# KiCad board solenoidDecoder.kicad_pcb (continued)
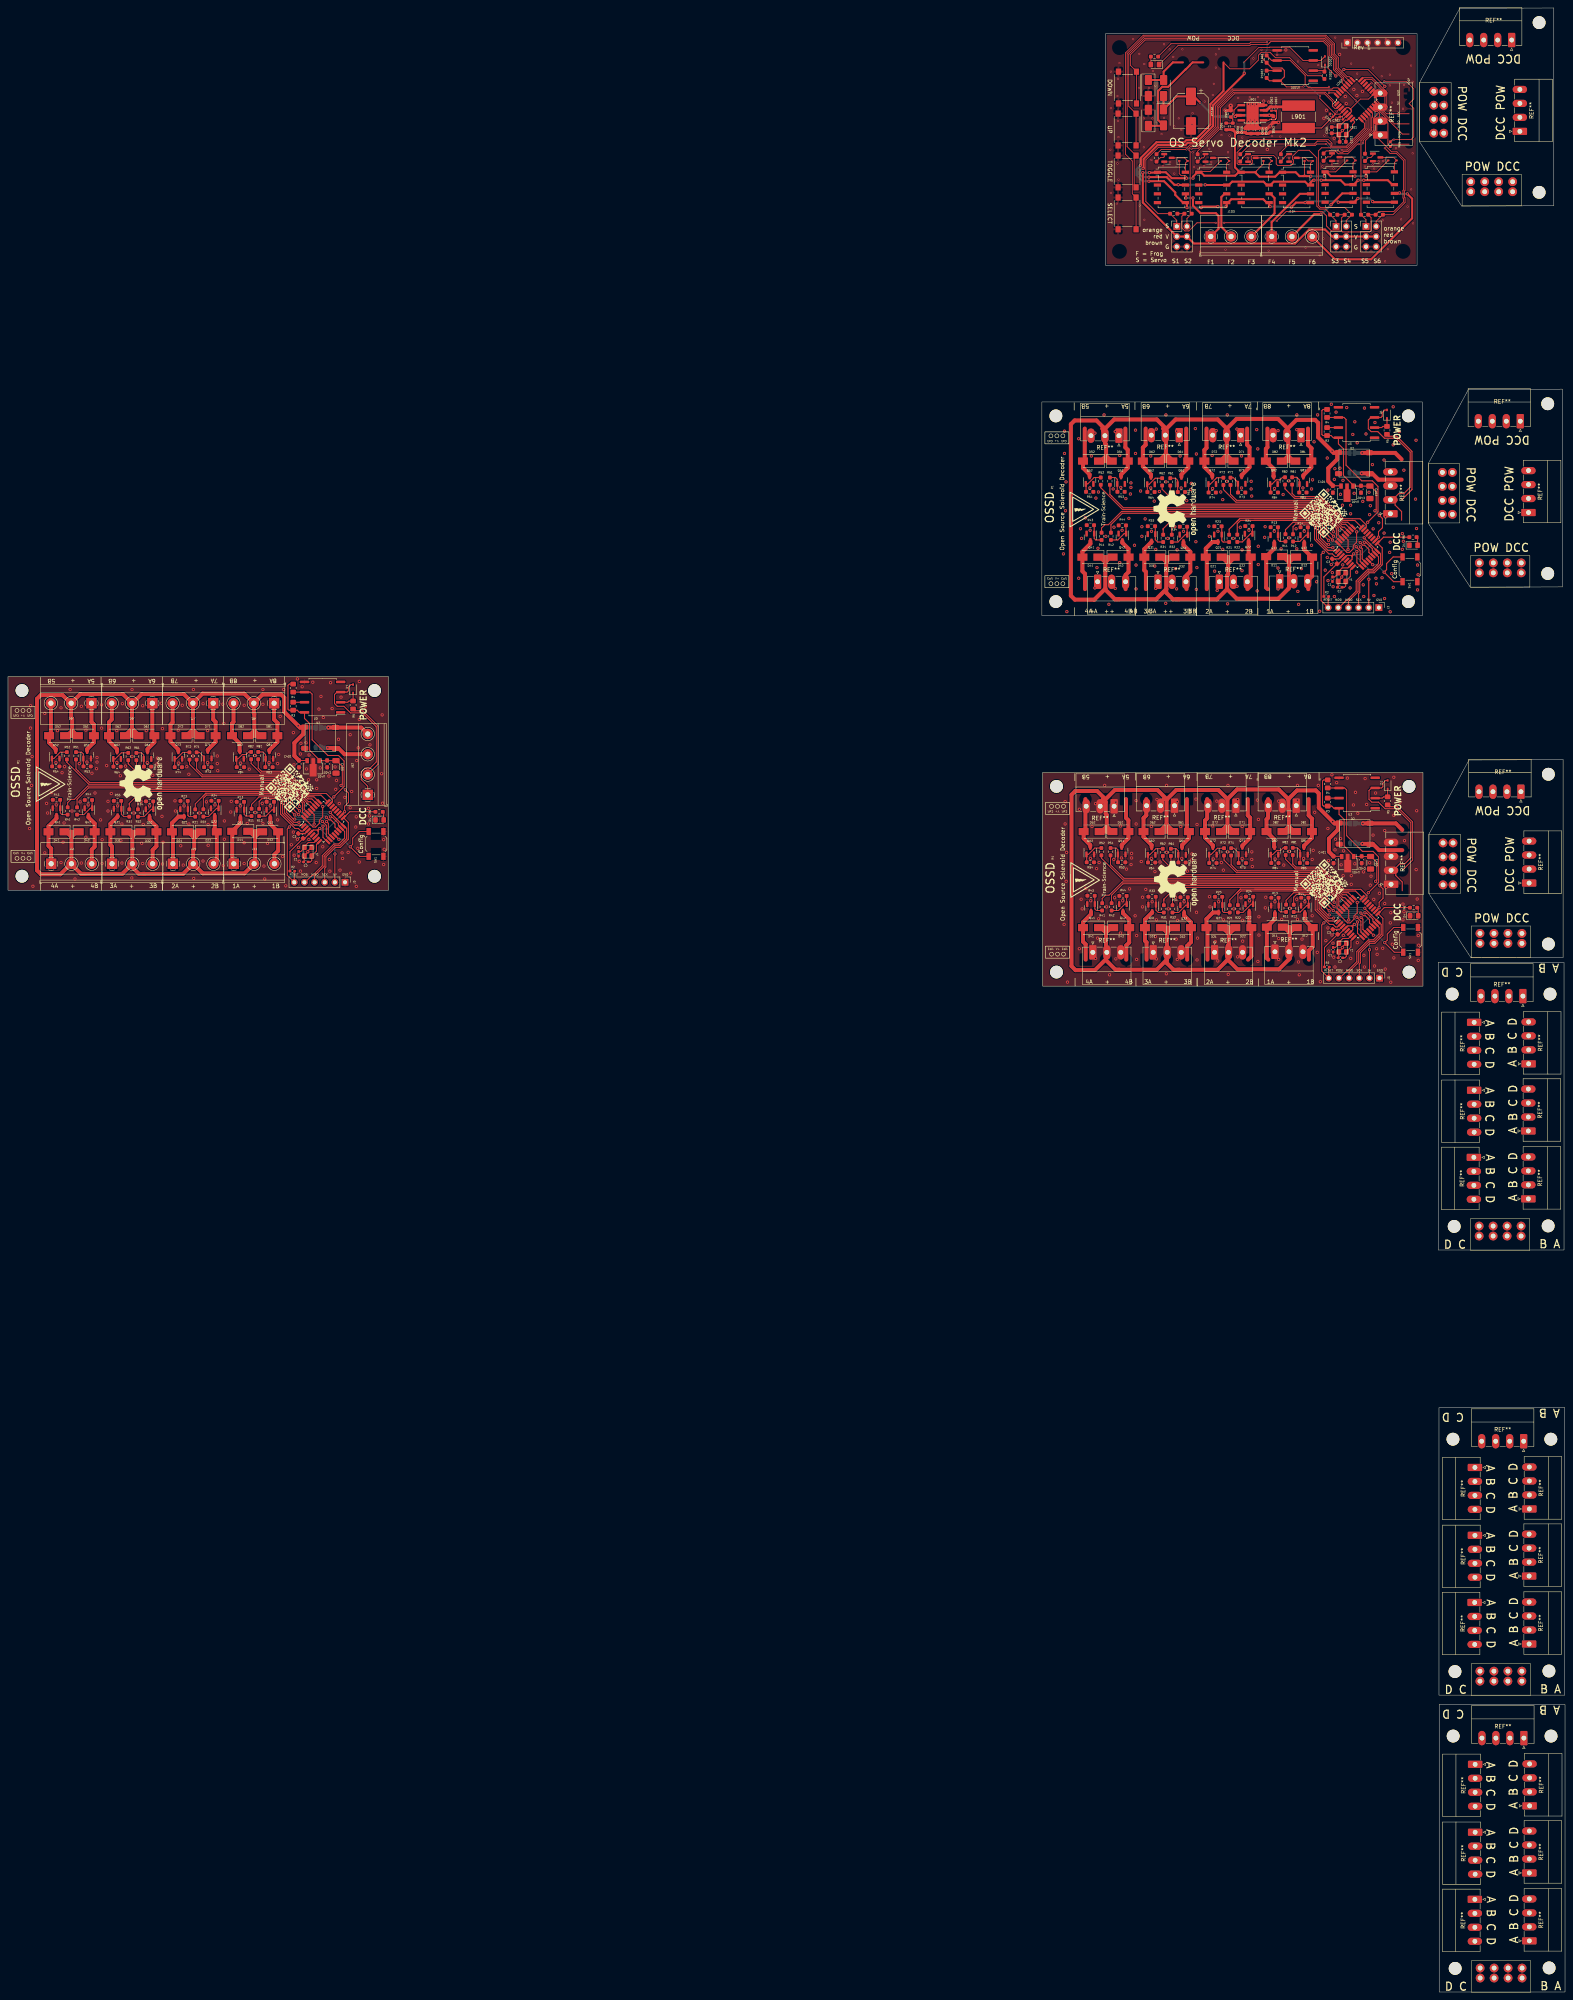
[diagram p0: board, top side]
## Routing (per net, layer and track width the routed paths; a pad name or vN(x,y) marks a point on that pad's centre or on a via; arc(x,y) is an arc through that point) (continued)
  Top w0.5: v2(304.93,446.98) 305.12,447.16 K702.5 305.42,447.97 306.27,448.82 314.26,448.82 315.11,447.97 K801.5 315.74,447.22 v2(315.98,446.98) ; v2(283.47,457.26) 283.62,457.41 283.62,459.18 287.52,463.09 294.48,463.09 295.05,463.65 297.19,463.65 301.02,467.48 301.02,472.64 304.31,475.93 304.31,483.08 ; v2(337.95,449.01) 337.02,448.07 K901.5 336.74,448.07 v2(333.05,448.07) ; v2(321.32,446.85) 322.44,447.97 v2(324.75,447.97) K802.5 ; v2(295.15,446.72) 295.15,447.58 K701.5 294.16,447.97 292.23,449.9 292.23,450.5 289.41,453.33 v2(285.63,453.33) ; K902.5 341.81,448.07 v2(341.64,448.25) ; v2(298.71,446.72) 298.96,446.98 v2(302.9,446.98)
  Bottom w0.5: v2(283.47,457.26) 282.56,456.35 282.56,454.84 284.07,453.33 v2(285.63,453.33) ; v2(337.95,449.01) 340.87,449.01 v2(341.64,448.25) ; v2(324.75,447.97) 325.07,448.3 332.82,448.3 v2(333.05,448.07) ; v2(315.98,446.98) 321.19,446.98 v2(321.32,446.85) ; v2(304.93,446.98) v2(302.9,446.98) ; v2(298.71,446.72) v2(295.15,446.72)
/DCC/DCC_B: length 262.5
  Top w0.2: 309.39,483.08 313.08,486.77 315.78,486.77 315.9,486.9 320.89,486.9 324.24,483.55 U1001.3
  Top w0.25: 349.06,275.7 349.06,277.87 347.43,279.49 347.43,281.46 348.39,282.41 349.65,282.41 351.2,283.96 351.2,292.74 347.71,296.23 344.75,296.23 343.1,297.88 341.44,297.88 340.73,298.59 340.73,300.8 341.37,301.44 U3.3 343.9,301.44 344.21,301.75 344.21,302.63 344.88,303.31 D1#2.2 ; J62.1 90.06,301.87 88.43,303.49 88.43,305.46 89.39,306.41 90.65,306.41 92.2,307.96 92.2,316.74 88.71,320.23 85.75,320.23 84.1,321.88 82.44,321.88 81.73,322.59 81.73,324.8 82.37,325.44 U3#2.3 84.9,325.44 85.21,325.75 85.21,326.63 85.88,327.31 D1#3.2 ; D1001.2 328.68,483.55 U1001.3 ; 348.9,368.46 348.9,370.62 347.27,372.25 347.27,374.21 348.22,375.16 349.49,375.16 351.04,376.72 351.04,385.5 347.55,388.98 344.59,388.98 342.94,390.63 341.28,390.63 340.57,391.34 340.57,393.56 341.21,394.19 U3#3.3 343.74,394.19 344.05,394.5 344.05,395.39 344.72,396.07 D1.2
  Top w0.5: v2(339.42,453.58) 345.45,453.58 346.55,452.47 K902.7 ; v2(299.73,452.44) 299.79,452.37 K702.7 305.63,452.37 306.48,453.22 314.31,453.22 315.16,452.37 K801.7 316.05,452.37 316.9,453.22 324.72,453.22 325.57,452.37 K802.7 326.09,452.99 326.68,453.58 v2(326.97,453.58) ; v2(284.17,456.5) 284.32,456.65 284.32,458.89 287.81,462.38 294.77,462.38 295.34,462.95 297.48,462.95 301.72,467.19 301.72,472.35 309.51,480.14 v2(309.51,480.38) ; v2(338.02,453.58) 336.91,452.47 K901.7 334.74,452.47 333.64,453.58 v2(328.77,453.58) ; K701.7 293.06,452.37 v2(293,452.44) 292.01,452.44 290.1,454.34 v2(285.63,454.34)
  Bottom w0.5: v2(326.97,453.58) v2(328.77,453.58) ; v2(338.02,453.58) v2(339.42,453.58) ; v2(309.51,480.38) 309.51,482.96 309.39,483.08 ; v2(293,452.44) v2(299.73,452.44) ; v2(285.63,454.34) 284.05,454.34 283.26,455.13 283.26,455.84 283.92,456.5 v2(284.17,456.5)
/DCC/DCC_TTL: length 174.9
  Top w0.2: U202.32 331.98,475.45 v1(330.71,475.45) ; U1001.6 321,483.55 324.75,479.81 324.75,477.58 325.53,476.8 330.56,476.8 v1(330.71,476.95)
  Top w0.25: U1#3.32 76.36,291.65 77.03,291.65 77.97,292.59 77.97,293.36 78.79,294.18 v2(78.79,296.79) ; v2(337.79,272.79) 337.79,270.18 336.97,269.36 336.97,268.59 336.03,267.65 335.36,267.65 U1.32 ; v2(340.4,367.96) 342.98,370.54 342.98,376.92 341.59,378.32 338.92,378.32 334.98,382.25 334.98,393.68 334.47,394.19 U3#3.6 R4#3.2 ; v2(340.56,275.2) 343.14,277.79 343.14,284.16 341.75,285.56 339.08,285.56 335.14,289.5 335.14,300.93 334.63,301.44 U3.6 R4#2.2 ; U1#2.32 335.2,360.41 335.87,360.41 336.81,361.35 336.81,362.12 337.63,362.94 v2(337.63,365.54) ; v2(81.56,299.2) 84.14,301.79 84.14,308.16 82.75,309.56 80.08,309.56 76.14,313.5 76.14,324.93 75.63,325.44 U3#2.6 R4.2 ; U1001.6 316.37,483.55 R1003.2
  Bottom w0.2: v1(330.71,476.95) v1(330.71,475.45)
  Bottom w0.25: v2(337.63,365.54) 338.06,365.54 340.4,367.88 v2(340.4,367.96) ; v2(340.56,275.2) 340.56,275.13 338.22,272.79 v2(337.79,272.79) ; v2(81.56,299.2) 81.56,299.13 79.22,296.79 v2(78.79,296.79)
/POWER/Vcoils: length 1002.2
  Top w0.25: U401#2.3 333.83,284.32 C401#2.1 ; U401#3.3 333.66,377.08 C401#3.1 ; C401.1 74.83,308.32 U401.3
  Top w1: 305.62,264.93 305.75,264.93 D22#3.1 305.62,266.46 ; 305.62,264.93 305.62,266.46 ; 305.62,264.93 305.62,262.14 305.37,261.89 305.37,258.46 ; 305.62,264.93 304.1,266.46 D21.1 305.62,266.46 ; 289.97,359.21 289.97,358.07 ; 289.97,359.21 D31#2.1 288.83,359.21 289.97,358.07 ; 289.97,359.21 D32#2.1 291.11,359.21 289.97,358.07 ; 289.97,358.07 289.97,351.21 ; 15.76,290.46 D42#3.1 17.15,290.46 15.88,289.19 ; 15.76,290.46 D41#2.1 14.62,290.46 15.88,289.19 ; 15.76,290.46 15.88,290.34 15.88,289.19 ; 274.91,384.54 276.18,383.27 D51#2.1 274.91,383.27 ; 274.91,384.54 274.91,387.46 274.66,387.71 274.66,390.68 273.94,391.4 ; 274.91,384.54 273.64,383.27 D52#3.1 274.91,383.27 ; 274.91,384.54 274.91,383.27 ; 320.5,383.27 D81#2.1 321.77,383.27 320.5,384.54 ; 320.5,383.27 320.5,384.54 ; 320.5,383.27 D82#2.1 319.23,383.27 320.5,384.54 ; 278.25,255.92 287.59,255.92 290.13,258.45 290.13,258.46 ; 278.25,255.92 277.42,255.92 ; 278.25,255.92 277.29,255.92 274.89,258.32 274.89,258.46 ; 289.97,351.21 289.97,351.21 287.43,348.67 278.09,348.67 ; 289.97,351.21 289.97,350.34 291.63,348.67 293.09,348.67 ; 34.25,279.92 43.83,279.92 J21.2 ; 34.25,279.92 32.79,279.92 31.13,281.58 J31.2 ; 34.25,279.92 33.67,279.92 ; 305.81,290.51 D71.1 306.82,290.51 305.3,292.04 ; 305.81,290.51 305.3,291.02 305.3,292.04 ; 305.81,290.51 D72#3.1 305.2,292.04 305.3,292.04 ; 46.62,288.93 46.75,288.93 D22#2.1 46.62,290.46 ; 46.62,288.93 46.62,290.46 ; 46.62,288.93 46.62,286.14 46.37,285.89 J21.2 ; 46.62,288.93 45.1,290.46 D21#2.1 46.62,290.46 ; 320.38,391.4 320.38,388.86 320.5,388.74 320.5,384.54 ; 320.38,391.4 322.56,393.58 327.24,393.58 328,392.82 328,389.24 v2(331.49,385.75) 331.92,385.31 332.77,385.31 332.77,383.73 330.54,381.49 330.54,378.23 C401#3.1 ; 320.38,391.4 317.97,393.81 307.55,393.81 305.14,391.4 ; 293.25,255.92 291.79,255.92 290.13,257.58 290.13,258.46 ; 293.25,255.92 302.83,255.92 305.37,258.46 ; 293.25,255.92 292.67,255.92 ; 61.86,290.59 61.86,289.19 ; 61.86,290.59 63.51,290.59 D12#3.1 63.13,290.46 61.86,289.19 ; 61.86,290.59 D11.1 60.47,290.59 61.86,289.19 ; 61.86,289.19 61.86,282.71 J11.2 59.2,280.04 48.78,280.04 J21.2 ; 290.19,290.51 D62.1 290.05,292.29 290.05,292.3 ; 290.19,290.51 290.05,290.65 290.05,292.3 ; 290.19,290.51 D61#3.1 291.65,290.7 290.05,292.3 ; 292.51,348.67 293.09,348.67 ; 293.09,348.67 302.67,348.67 305.21,351.21 ; 19.25,279.92 18.29,279.92 15.89,282.32 J41.2 ; 19.25,279.92 28.59,279.92 31.13,282.45 J31.2 ; 19.25,279.92 18.42,279.92 ; 290.02,383.27 289.89,383.4 289.89,385.05 ; 290.02,383.27 D61.1 291.49,383.46 289.89,385.05 ; 290.02,383.27 D62#3.1 289.89,385.04 289.89,385.05 ; 275.07,291.78 273.8,290.51 D52.1 275.07,290.51 ; 275.07,291.78 275.07,290.51 ; 275.07,291.78 275.07,294.7 274.82,294.96 274.82,297.92 274.1,298.64 ; 275.07,291.78 276.34,290.51 D51#3.1 275.07,290.51 ; 320.54,298.64 322.72,300.82 327.4,300.82 328.16,300.07 328.16,296.48 v2(331.65,292.99) 332.09,292.56 332.93,292.56 332.93,290.97 330.7,288.74 330.7,285.47 C401#2.1 ; 320.54,298.64 320.54,296.11 320.67,295.99 320.67,291.78 ; 320.54,298.64 318.13,301.06 307.71,301.06 305.3,298.64 ; 305.65,383.27 305.14,383.78 305.14,384.79 ; 305.65,383.27 D72.1 305.04,384.79 305.14,384.79 ; 305.65,383.27 D71#2.1 306.66,383.27 305.14,384.79 ; 290.13,258.46 290.13,265.32 ; 16.07,315.78 16.07,318.7 15.82,318.96 15.82,321.92 15.1,322.64 ; 16.07,315.78 14.8,314.51 D52#2.1 16.07,314.51 ; 16.07,315.78 17.34,314.51 D51.1 16.07,314.51 ; 16.07,315.78 16.07,314.51 ; 305.14,391.4 305.14,384.79 ; 305.14,391.4 302.85,393.68 292.31,393.68 290.02,391.4 289.17,391.4 ; 290.13,266.46 D31#3.1 288.99,266.46 290.13,265.32 ; 290.13,266.46 D32#3.1 291.27,266.46 290.13,265.32 ; 290.13,266.46 290.13,265.32 ; 320.7,359.34 D11#3.1 319.31,359.34 320.7,357.94 ; 320.7,359.34 322.35,359.34 D12#2.1 321.97,359.21 320.7,357.94 ; 320.7,359.34 320.7,357.94 ; 61.66,314.51 D82#3.1 60.4,314.51 61.66,315.78 ; 61.66,314.51 D81.1 62.93,314.51 61.66,315.78 ; 61.66,314.51 61.66,315.78 ; 274.6,359.21 274.72,359.09 274.72,357.95 ; 274.6,359.21 D42#2.1 275.99,359.21 274.72,357.95 ; 274.6,359.21 D41#3.1 273.46,359.21 274.72,357.95 ; 305.3,298.64 303.01,300.93 292.47,300.93 290.19,298.64 289.33,298.64 ; 305.3,298.64 305.3,292.04 ; 320.86,266.59 D11#2.1 319.47,266.59 320.86,265.19 ; 320.86,266.59 322.51,266.59 D12.1 322.13,266.46 320.86,265.19 ; 320.86,266.59 320.86,265.19 ; 274.88,265.19 274.88,266.34 274.76,266.46 ; 274.88,265.19 274.88,258.58 272.13,255.82 267.25,255.82 266.25,256.82 266.25,299.73 267.2,300.67 272.66,300.67 274.31,299.02 274.31,298.14 277.1,300.93 287.77,300.93 290.05,298.65 290.05,292.3 ; 274.88,265.19 273.62,266.46 D41.1 274.76,266.46 ; 274.88,265.19 276.15,266.46 D42.1 274.76,266.46 ; 320.7,357.94 320.7,351.47 318.04,348.8 307.62,348.8 305.21,351.21 ; 31.05,316.3 31.05,322.65 28.77,324.93 18.1,324.93 15.32,322.14 15.32,323.02 13.66,324.67 8.2,324.67 7.25,323.73 7.25,280.82 8.25,279.82 13.13,279.82 15.88,282.58 15.88,289.19 ; 31.05,316.3 31.05,316.29 D62#2.1 31.18,314.51 ; 31.05,316.3 31.05,314.65 31.18,314.51 ; 31.05,316.3 32.65,314.7 D61#2.1 31.18,314.51 ; 289.89,385.05 289.89,391.4 287.61,393.68 276.94,393.68 274.15,390.89 274.15,391.77 272.5,393.43 267.04,393.43 266.09,392.49 266.09,349.58 267.09,348.58 271.97,348.58 274.72,351.33 274.72,357.95 ; 305.46,357.69 305.46,354.9 305.21,354.64 305.21,351.21 ; 305.46,357.69 305.46,359.21 ; 305.46,357.69 303.94,359.21 D21#3.1 305.46,359.21 ; 305.46,357.69 305.59,357.69 D22.1 305.46,359.21 ; 320.67,290.51 320.67,291.78 ; 320.67,290.51 D82.1 319.4,290.51 320.67,291.78 ; 320.67,290.51 D81#3.1 321.94,290.51 320.67,291.78 ; J81.2 63.72,324.82 68.4,324.82 69.16,324.07 69.16,320.48 v2(72.65,316.99) 73.09,316.56 73.93,316.56 73.93,314.97 71.7,312.74 71.7,309.47 C401.1 ; J81.2 59.13,325.06 48.71,325.06 J71.2 ; J81.2 61.54,320.11 61.66,319.99 61.66,315.78 ; J31.2 31.13,289.32 ; 46.3,316.04 46.3,315.02 46.81,314.51 ; 46.3,316.04 46.2,316.04 D72#2.1 46.81,314.51 ; 46.3,316.04 J71.2 ; 46.3,316.04 47.82,314.51 D71#3.1 46.81,314.51 ; 305.37,258.46 307.78,256.04 318.2,256.04 320.86,258.71 320.86,265.19 ; 31.13,290.46 D31.1 29.99,290.46 31.13,289.32 ; 31.13,290.46 31.13,289.32 ; 31.13,290.46 D32.1 32.27,290.46 31.13,289.32 ; 277.26,348.67 278.09,348.67 ; 278.09,348.67 277.13,348.67 274.73,351.07 274.73,351.21 ; J71.2 44.01,324.93 33.47,324.93 31.18,322.64 30.33,322.64
  Bottom w1: v2(72.65,316.99) 73.09,316.55 JP1.2 ; v2(331.65,292.99) 332.1,292.55 JP1#3.2 ; v2(331.49,385.75) 331.93,385.3 JP1#2.2
/uController/GPIO1: length 58.2
  Top w0.25: U1#3.2 74.58,291.36 73.86,290.64 73.35,290.64 72.71,291.27 71.86,291.27 68.25,294.88 68.25,298.05 67.55,298.75 63.55,298.75 62.88,298.08 R12#3.1 ; R12#2.1 321.88,274.08 322.55,274.75 326.55,274.75 327.25,274.05 327.25,270.88 330.86,267.27 331.71,267.27 332.35,266.64 332.86,266.64 333.58,267.36 U1.2 ; U1#2.2 333.42,360.12 332.7,359.39 332.19,359.39 331.55,360.03 330.7,360.03 327.09,363.63 327.09,366.8 326.39,367.51 322.39,367.51 321.72,366.83 R12.1
/uController/GPIO2: length 59.7
  Top w0.25: U1.1 332.7,268.26 332.29,268.26 332.14,268.11 330.66,268.11 327.75,271.02 327.75,274.19 326.74,275.2 321.86,275.2 319.97,273.32 R11.1 ; R11#3.1 60.97,297.32 62.86,299.2 67.74,299.2 68.75,298.19 68.75,295.02 71.66,292.11 73.14,292.11 73.29,292.26 73.7,292.26 U1#3.1 ; U1#2.1 332.54,361.02 332.13,361.02 331.98,360.86 330.5,360.86 327.59,363.77 327.59,366.94 326.58,367.96 321.7,367.96 319.81,366.07 R11#2.1
/uController/GPIO3: length 128.4
  Top w0.25: v2(72.84,292.83) 71.57,292.83 69.25,295.15 69.25,298.32 67.93,299.65 49.72,299.65 48.91,298.84 R22#3.1 ; U1#2.9 338.78,356.74 337.7,357.82 v2(337.7,360.63) ; v2(337.86,267.87) 337.86,265.06 338.94,263.99 U1.9 ; U1#3.9 79.94,287.99 78.86,289.06 v2(78.86,291.87) ; R22.1 307.91,274.84 308.72,275.65 326.93,275.65 328.25,274.32 328.25,271.15 330.57,268.83 v2(331.84,268.83) ; v2(331.68,361.59) 330.41,361.59 328.09,363.91 328.09,367.08 326.76,368.41 308.56,368.41 307.75,367.6 R22#2.1
  Bottom w0.25: v2(331.68,361.59) 331.68,361.59 331.68,361.68 331.86,361.86 336.46,361.86 v2(337.7,360.63) ; v2(72.84,292.83) 72.84,292.84 72.84,292.92 73.03,293.11 77.62,293.11 v2(78.86,291.87) ; v2(331.84,268.83) 331.84,268.84 331.84,268.92 332.03,269.11 336.62,269.11 v2(337.86,267.87)
/uController/GPIO4: length 182
  Top w0.25: U1.10 339.49,264.55 338.7,265.34 338.7,268.06 v2(337.69,269.06) ; 327.41,368.4 326.95,368.85 326.56,368.85 ; 327.41,368.4 328.59,367.21 328.59,364.08 330.27,362.4 v2(330.62,362.4) ; 327.41,368.4 327.13,368.67 ; 67.72,300.1 67.72,300.1 ; 67.72,300.1 49.53,300.1 ; 67.72,300.1 53.1,300.1 ; 67.72,300.1 68.11,300.1 68.57,299.64 ; 68.57,299.64 68.29,299.92 ; 68.57,299.64 69.75,298.46 69.75,295.32 71.43,293.65 v2(71.78,293.65) ; 49.53,300.1 46.88,297.44 R21#2.1 ; 49.53,300.1 48.72,299.29 ; v2(337.53,361.82) 338.54,360.81 338.54,358.1 339.33,357.31 U1#2.10 ; 308.37,368.85 326.56,368.85 ; 308.37,368.85 305.72,366.2 R21.1 ; 308.37,368.85 307.56,368.05 ; 326.56,368.85 326.56,368.86 ; 326.56,368.85 311.94,368.85 ; R21#3.1 305.88,273.44 308.53,276.1 ; v2(78.69,293.06) 79.7,292.06 79.7,289.34 80.49,288.55 U1#3.10 ; 327.57,275.64 327.11,276.1 326.72,276.1 ; 327.57,275.64 328.75,274.46 328.75,271.32 330.43,269.65 v2(330.78,269.65) ; 327.57,275.64 327.29,275.92 ; 308.53,276.1 307.72,275.29 ; 308.53,276.1 326.72,276.1 ; 326.72,276.1 326.72,276.1 ; 326.72,276.1 312.1,276.1
  Bottom w0.25: v2(337.53,361.82) 337.03,362.31 332.57,362.31 ; 73.73,293.56 78.2,293.56 v2(78.69,293.06) ; 73.73,293.56 71.87,293.56 v2(71.78,293.65) ; 73.73,293.56 73.6,293.56 ; v2(330.78,269.65) 330.87,269.56 332.73,269.56 ; 332.57,362.31 330.71,362.31 v2(330.62,362.4) ; 332.57,362.31 332.44,362.31 ; v2(337.69,269.06) 337.2,269.56 332.73,269.56 ; 332.73,269.56 332.6,269.56
/uController/GPIO5: length 179.7
  Top w0.25: v2(338.75,269.03) 339.21,268.57 339.21,266 339.57,265.64 339.64,265.64 U1.11 ; v2(71.78,294.68) 70.2,296.25 70.2,298.64 68.3,300.55 33.98,300.55 32.53,299.09 R32#2.1 ; R32#3.1 291.37,367.85 292.82,369.3 327.14,369.3 329.04,367.4 329.04,365.01 v2(330.62,363.43) ; v2(330.78,270.68) 329.2,272.25 329.2,274.64 327.3,276.55 292.98,276.55 291.53,275.09 R32.1 ; v2(79.75,293.03) 80.21,292.57 80.21,290 80.57,289.64 80.64,289.64 U1#3.11 ; U1#2.11 339.48,358.39 339.41,358.39 339.05,358.76 339.05,361.33 v2(338.59,361.78)
  Bottom w0.25: v2(330.78,270.68) 331.45,270.01 337.77,270.01 v2(338.75,269.03) ; v2(330.62,363.43) 331.29,362.76 337.61,362.76 v2(338.59,361.78) ; v2(79.75,293.03) 78.77,294.01 72.45,294.01 v2(71.78,294.68)
/uController/GPIO6: length 184.5
  Top w0.25: 289.37,273.32 289.37,273.57 ; 289.37,273.32 289.37,273.57 ; 289.37,273.32 R31#2.1 ; 289.37,273.57 292.79,277 327.49,277 329.75,274.73 329.75,272.82 330.75,271.82 330.75,271.75 v2(331.77,270.73) ; U1#2.14 341.52,359.57 340.7,360.39 340.7,361.16 339.66,362.21 339.18,362.21 v2(338.54,362.86) ; 289.21,366.08 289.21,366.33 292.63,369.75 327.32,369.75 329.59,367.49 329.59,365.58 330.59,364.58 330.59,364.51 v2(331.61,363.49) ; 289.21,366.08 R31#3.1 ; 289.21,366.08 289.21,366.33 ; v2(79.7,294.1) 80.35,293.46 80.82,293.46 81.86,292.41 81.86,291.63 82.68,290.81 U1#3.14 ; 30.37,297.32 30.37,297.57 ; 30.37,297.32 R31.1 ; 30.37,297.32 30.37,297.57 ; 30.37,297.57 33.79,301 68.49,301 70.75,298.73 70.75,296.82 71.75,295.82 71.75,295.75 v2(72.77,294.73) ; v2(338.7,270.1) 339.35,269.46 339.82,269.46 340.86,268.41 340.86,267.63 341.68,266.81 U1.14
  Bottom w0.25: v2(72.77,294.73) 73.05,294.46 79.35,294.46 v2(79.7,294.1) ; v2(331.77,270.73) 332.05,270.46 338.35,270.46 v2(338.7,270.1) ; v2(331.61,363.49) 331.89,363.21 338.18,363.21 v2(338.54,362.86)
/uController/GPIO7: length 283.3
  Top w0.25: R42#3.1 276.13,367.34 278.99,370.2 292.45,370.2 292.45,370.2 327.51,370.2 329.29,368.43 ; R42#2.1 276.29,274.59 279.15,277.45 292.61,277.45 327.67,277.45 329.45,275.67 ; v2(73,295.71) 71.25,297.45 71.25,298.87 70.45,299.67 ; v2(339.72,270.18) 339.83,270.07 340.22,270.07 341.04,269.25 341.05,269.25 341.72,268.58 341.72,268.08 U1.15 343.27,266.53 343.27,264.86 341.82,263.41 340.6,263.41 337.68,260.49 337.68,257.95 335.32,255.59 335.14,255.59 333.38,253.82 J3.5 ; 329.45,275.67 330.25,274.87 330.25,273.45 v2(332,271.71) ; 329.45,275.67 329.28,275.84 ; J3#3.5 333.22,346.58 334.98,348.34 335.16,348.34 337.52,350.7 337.52,353.24 340.44,356.16 341.66,356.16 343.11,357.62 343.11,359.28 U1#2.15 341.56,360.84 341.56,361.33 340.89,362 340.88,362 340.06,362.82 339.67,362.82 v2(339.56,362.94) ; v2(331.84,364.46) 330.09,366.21 330.09,367.62 329.29,368.43 ; v2(80.72,294.18) 80.83,294.07 81.22,294.07 82.04,293.25 82.05,293.25 82.72,292.58 82.72,292.08 U1#3.15 84.27,290.53 84.27,288.86 82.82,287.41 81.6,287.41 78.68,284.49 78.68,281.95 76.32,279.59 76.14,279.59 74.38,277.82 J3#2.5 ; 70.45,299.67 68.67,301.45 33.61,301.45 20.15,301.45 17.29,298.59 R42.1 ; 70.45,299.67 70.28,299.84 ; 329.29,368.43 329.12,368.6
  Bottom w0.25: 333.84,363.71 332.59,363.71 v2(331.84,364.46) ; 333.42,270.96 338.94,270.96 v2(339.72,270.18) ; v2(339.56,362.94) 338.78,363.71 333.25,363.71 ; v2(73,295.71) 73.75,294.96 75,294.96 ; 74.42,294.96 79.94,294.96 v2(80.72,294.18) ; 334,270.96 332.75,270.96 v2(332,271.71)
/uController/GPIO8: length 285.7
  Top w0.25: v2(339.53,364.07) 339.53,363.99 341.06,362.45 341.07,362.45 U1#2.16 342.95,360.7 343.62,360.03 343.62,357.49 341.86,355.73 340.62,355.73 337.99,353.1 337.99,350.56 335.59,348.16 J3#3.4 ; v2(80.69,295.31) 80.69,295.23 82.23,293.7 82.23,293.7 U1#3.16 84.11,291.95 84.78,291.27 84.78,288.73 83.02,286.98 81.78,286.98 79.15,284.35 79.15,281.81 76.75,279.41 J3#2.4 ; J3.4 335.75,255.41 338.15,257.81 338.15,260.35 340.78,262.98 342.02,262.98 343.78,264.73 343.78,267.27 343.11,267.95 U1.16 341.23,269.7 341.23,269.7 339.69,271.23 v2(339.69,271.31) ; R41.1 273.94,273.76 274.76,274.59 275.65,274.59 278.96,277.9 327.83,277.9 332,273.73 v2(332,272.82) ; v2(331.84,365.58) 331.84,366.48 327.67,370.65 278.8,370.65 275.49,367.34 274.6,367.34 273.78,366.52 R41#3.1 ; v2(73,296.82) 73,297.73 68.83,301.9 19.96,301.9 16.65,298.59 15.76,298.59 14.94,297.76 R41#2.1
  Bottom w0.25: v2(331.84,365.58) 333.2,364.22 339.38,364.22 v2(339.53,364.07) ; v2(339.69,271.31) 339.54,271.46 333.36,271.46 v2(332,272.82) ; v2(80.69,295.31) 80.54,295.46 74.36,295.46 v2(73,296.82)
/uController/GPIO9: length 202.1
  Top w0.25: R52#3.1 14.74,307.84 20.22,302.37 68.98,302.37 73.73,297.63 73.73,295.42 U1#3.31 ; U1.31 332.73,271.42 332.73,273.63 327.98,278.37 279.22,278.37 273.74,283.84 R52#2.1 ; R52.1 273.58,376.6 279.06,371.12 327.82,371.12 332.56,366.38 332.56,364.17 U1#2.31
/uController/GPIO10: length 198.2
  Top w0.25: U1#2.30 333.01,364.85 333.01,366.54 327.98,371.57 279.24,371.57 276.31,374.51 276.31,374.51 275.87,374.95 R51.1 ; U1.30 333.18,272.1 333.18,273.79 328.14,278.82 279.4,278.82 276.47,281.75 276.03,282.19 R51#2.1 ; R51#3.1 17.03,306.19 17.47,305.75 20.4,302.82 69.14,302.82 74.18,297.79 74.18,296.1 U1#3.30
/uController/GPIO11: length 155.3
  Top w0.25: U1#2.28 335.12,365.05 328.14,372.02 293.14,372.02 288.94,376.22 R62#2.1 ; U1.28 335.28,272.29 328.3,279.27 293.3,279.27 289.11,283.47 R62#3.1 ; U1#3.28 76.28,296.29 69.3,303.27 34.3,303.27 30.11,307.47 R62.1
/uController/GPIO12: length 152.6
  Top w0.25: U1#2.27 334.54,366.73 334.05,366.73 328.3,372.47 293.33,372.47 290.98,374.82 R61#3.1 ; U1#3.27 75.7,297.97 75.21,297.97 69.46,303.72 34.49,303.72 32.14,306.07 R61.1 ; R61#2.1 291.14,282.07 293.49,279.72 328.46,279.72 334.21,273.97 334.7,273.97 U1.27
/uController/GPIO13: length 111.8
  Top w0.25: U1.26 336.37,273.39 335.07,274.69 334.1,274.69 328.56,280.23 307.58,280.23 304.44,283.37 R72.1 ; R72#3.1 304.28,376.12 307.42,372.98 328.4,372.98 333.94,367.44 334.91,367.44 336.2,366.15 U1#2.26 ; U1#3.26 77.37,297.39 76.07,298.69 75.1,298.69 69.56,304.23 48.58,304.23 45.44,307.37 R72#2.1
/uController/GPIO14: length 109.4
  Top w0.25: R71#3.1 306.06,374.98 307.61,373.43 328.56,373.43 334.03,367.96 335.42,367.96 336.67,366.71 U1#2.25 ; U1.25 336.83,273.96 335.58,275.2 334.19,275.2 328.72,280.68 307.77,280.68 306.22,282.23 R71#2.1 ; U1#3.25 77.83,297.96 76.58,299.2 75.19,299.2 69.72,304.68 48.77,304.68 47.22,306.23 R71.1
/uController/GPIO15: length 72.6
  Top w0.25: R82.1 319.87,283.56 322.26,281.17 328.83,281.17 334.37,275.63 337.35,275.63 U1.24 ; R82#3.1 319.71,376.32 322.1,373.93 328.67,373.93 334.21,368.39 337.19,368.39 U1#2.24 ; U1#3.24 78.35,299.63 75.37,299.63 69.83,305.17 63.26,305.17 60.87,307.56 R82#2.1
/uController/GPIO16: length 78.2
  Top w0.25: 73.45,302.16 73.89,301.72 ; 73.45,302.16 69.99,305.62 63.44,305.62 62.65,306.42 R81#3.1 ; 73.45,302.16 75.55,300.06 79.67,300.06 81.22,298.51 81.22,298 80.61,297.39 U1#3.23 ; R81#2.1 321.65,282.42 322.44,281.62 328.99,281.62 332.45,278.16 ; U1.23 339.61,273.39 340.22,274 340.22,274.51 338.67,276.06 334.55,276.06 332.45,278.16 ; 332.45,278.16 332.89,277.72 ; 332.28,370.92 334.39,368.82 338.51,368.82 340.06,367.27 340.06,366.76 339.45,366.15 U1#2.23 ; 332.28,370.92 328.82,374.38 322.28,374.38 321.49,375.17 R81.1 ; 332.28,370.92 332.72,370.48
/uController/LED: length 85.4
  Top w0.25: J3#3.3 338.13,350.1 338.42,350.39 338.42,352.92 340.8,355.3 342.04,355.3 344.05,357.31 344.05,361.53 U1#2.17 342.91,362.75 344.38,364.22 R6.1 ; J3#2.3 79.29,281.34 79.58,281.63 79.58,284.17 81.96,286.55 83.2,286.55 85.21,288.55 85.21,292.77 U1#3.17 84.07,294 85.54,295.46 R6#2.1 ; R6#3.1 344.54,271.46 343.07,270 U1.17 344.21,268.77 344.21,264.55 342.2,262.55 340.96,262.55 338.58,260.17 338.58,257.63 338.29,257.34 J3.3
/uController/RESET: length 83.9
  Top w0.25: U1#3.29 76.65,294.75 v2(76.65,292.38) ; v2(335.49,361.14) 335.49,363.51 U1#2.29 ; R2.2 330.51,349.25 J3#3.6 328.75,348.34 328.75,359.89 v2(329.28,360.42) ; v2(329.44,267.67) 328.91,267.14 328.91,255.59 J3.6 330.67,256.49 R2#3.2 ; U1.29 335.65,270.75 v2(335.65,268.38) ; R2#2.2 71.67,280.49 J3#2.6 69.91,279.59 69.91,291.14 v2(70.44,291.67)
  Bottom w0.25: v2(76.65,292.38) 76.38,292.11 72.54,292.11 72.36,292.29 71.06,292.29 v2(70.44,291.67) ; v2(335.49,361.14) 335.22,360.86 331.38,360.86 331.2,361.04 329.9,361.04 v2(329.28,360.42) ; v2(329.44,267.67) 330.06,268.29 331.36,268.29 331.54,268.11 335.38,268.11 v2(335.65,268.38)
/uController/X1: length 18.4
  Top w0.25: U1.7 335.62,263.76 334.17,263.76 333.15,262.74 333.15,262.36 332.29,261.5 C1#3.2 ; C1.2 73.29,285.5 74.15,286.36 74.15,286.74 75.17,287.76 76.62,287.76 U1#3.7 ; C1#2.2 332.13,354.26 332.99,355.11 332.99,355.49 334.01,356.52 335.46,356.52 U1#2.7
/uController/X2: length 19.8
  Top w0.25: C2#2.2 75.73,282.9 76.05,283.23 76.05,284.43 77.22,285.6 77.22,287.26 77.95,287.99 U1#3.8 ; U1.8 336.95,263.99 336.22,263.26 336.22,261.6 335.05,260.43 335.05,259.23 334.73,258.9 C2#3.2 ; C2.2 334.56,351.66 334.89,351.98 334.89,353.18 336.06,354.36 336.06,356.01 336.79,356.74 U1#2.8
Net-(D1-K): length 15.7
  Top w0.25: U3.2 344.06,298.9 344.36,299.2 R5.2 D1#2.1 ; D1#3.1 R5#2.2 85.36,323.2 85.06,322.9 U3#2.2 ; D1.1 R5#3.2 344.2,391.95 343.9,391.65 U3#3.2
Net-(D4-A): length 6.4
  Top w0.25: D4#2.2 353.06,271.22 R6#3.2 ; D4#3.2 94.06,295.22 R6#2.2 ; R6.2 352.9,363.98 D4.2
Net-(D11-A): length 37.9
  Top w1: 315.53,258.46 315.15,258.84 D11#2.2 317.18,268.62 Q11#3.3 ; Q11.3 58.18,292.62 D11.2 56.15,282.84 J11.1 ; Q11#2.3 317.02,361.37 D11#3.2 314.99,351.59 315.37,351.21
Net-(D12-A): length 38.6
  Top w1: Q12.3 324.67,268.36 326.58,266.46 D12.2 326.64,261.7 325.69,260.74 325.69,258.46 ; Q12#3.3 65.67,292.36 67.58,290.46 D12#3.2 67.64,285.7 66.69,284.74 J11.3 ; 325.53,351.21 325.53,353.5 326.48,354.45 D12#2.2 326.42,359.21 324.51,361.12 Q12#2.3
Net-(D21-A): length 42
  Top w1: 300.29,258.46 300.29,266.2 D21.2 300.04,268.62 301.66,270.25 Q21#3.3 ; Q21.3 301.5,363 299.87,361.37 D21#3.2 300.13,358.96 300.13,351.21 ; Q21#2.3 42.66,294.25 41.04,292.62 D21#2.2 41.29,290.2 J21.1
Net-(D22-A): length 37.6
  Top w1: J21.3 52.27,283.28 D22#2.2 51.76,290.97 Q22#2.3 ; Q22#3.3 310.6,359.72 D22.2 311.11,352.04 310.29,351.21 ; Q22.3 310.76,266.97 D22#3.2 311.27,259.28 310.45,258.46
Net-(D31-A): length 38.4
  Top w1: J31.1 26.05,286.78 25.64,287.19 D31.2 25.64,292.46 27.45,294.27 Q31#2.3 ; Q31#3.3 286.29,363.02 284.48,361.21 D31#2.2 284.48,355.94 284.89,355.53 284.89,351.21 ; 285.05,258.46 285.05,262.78 284.64,263.19 D31#3.2 284.64,268.46 286.45,270.27 Q31.3
Net-(D32-A): length 38.6
  Top w1: J31.3 36.21,285.89 37.16,286.84 D32.2 37.16,291.79 35.45,293.51 Q32#3.3 ; 295.05,351.21 295.05,354.64 296,355.59 D32#2.2 296,360.55 294.29,362.26 Q32#2.3 ; 295.21,258.46 295.21,261.89 296.16,262.84 D32#3.2 296.16,267.79 294.45,269.51 Q32.3
Net-(D41-A): length 39.4
  Top w1: 269.8,258.46 269.8,262.27 269.14,262.93 D41.2 269.14,267.82 271.14,269.82 Q41#3.3 ; 10.8,282.46 10.8,286.27 10.14,286.93 D41#2.2 10.14,291.82 12.14,293.82 Q41.3 ; Q41#2.3 270.98,362.58 268.98,360.58 D41#3.2 268.98,355.69 269.64,355.03 269.64,351.21
